# Altium PCB 一体机V1.PcbDoc (part 4 of 5)
Units mil, origin at the board's own origin, x right, y up, seen from the top; angles counter-clockwise.
Board outline 4013.53 x 6321.59 mil, 6 copper layers (Top Layer, GND, VCC, Mid-Layer 1, GND (Plane2), Bottom Layer); 349 components, 402 nets, 1592 pads, 708 vias.
Unrouted connection lines stored in the file: 4.
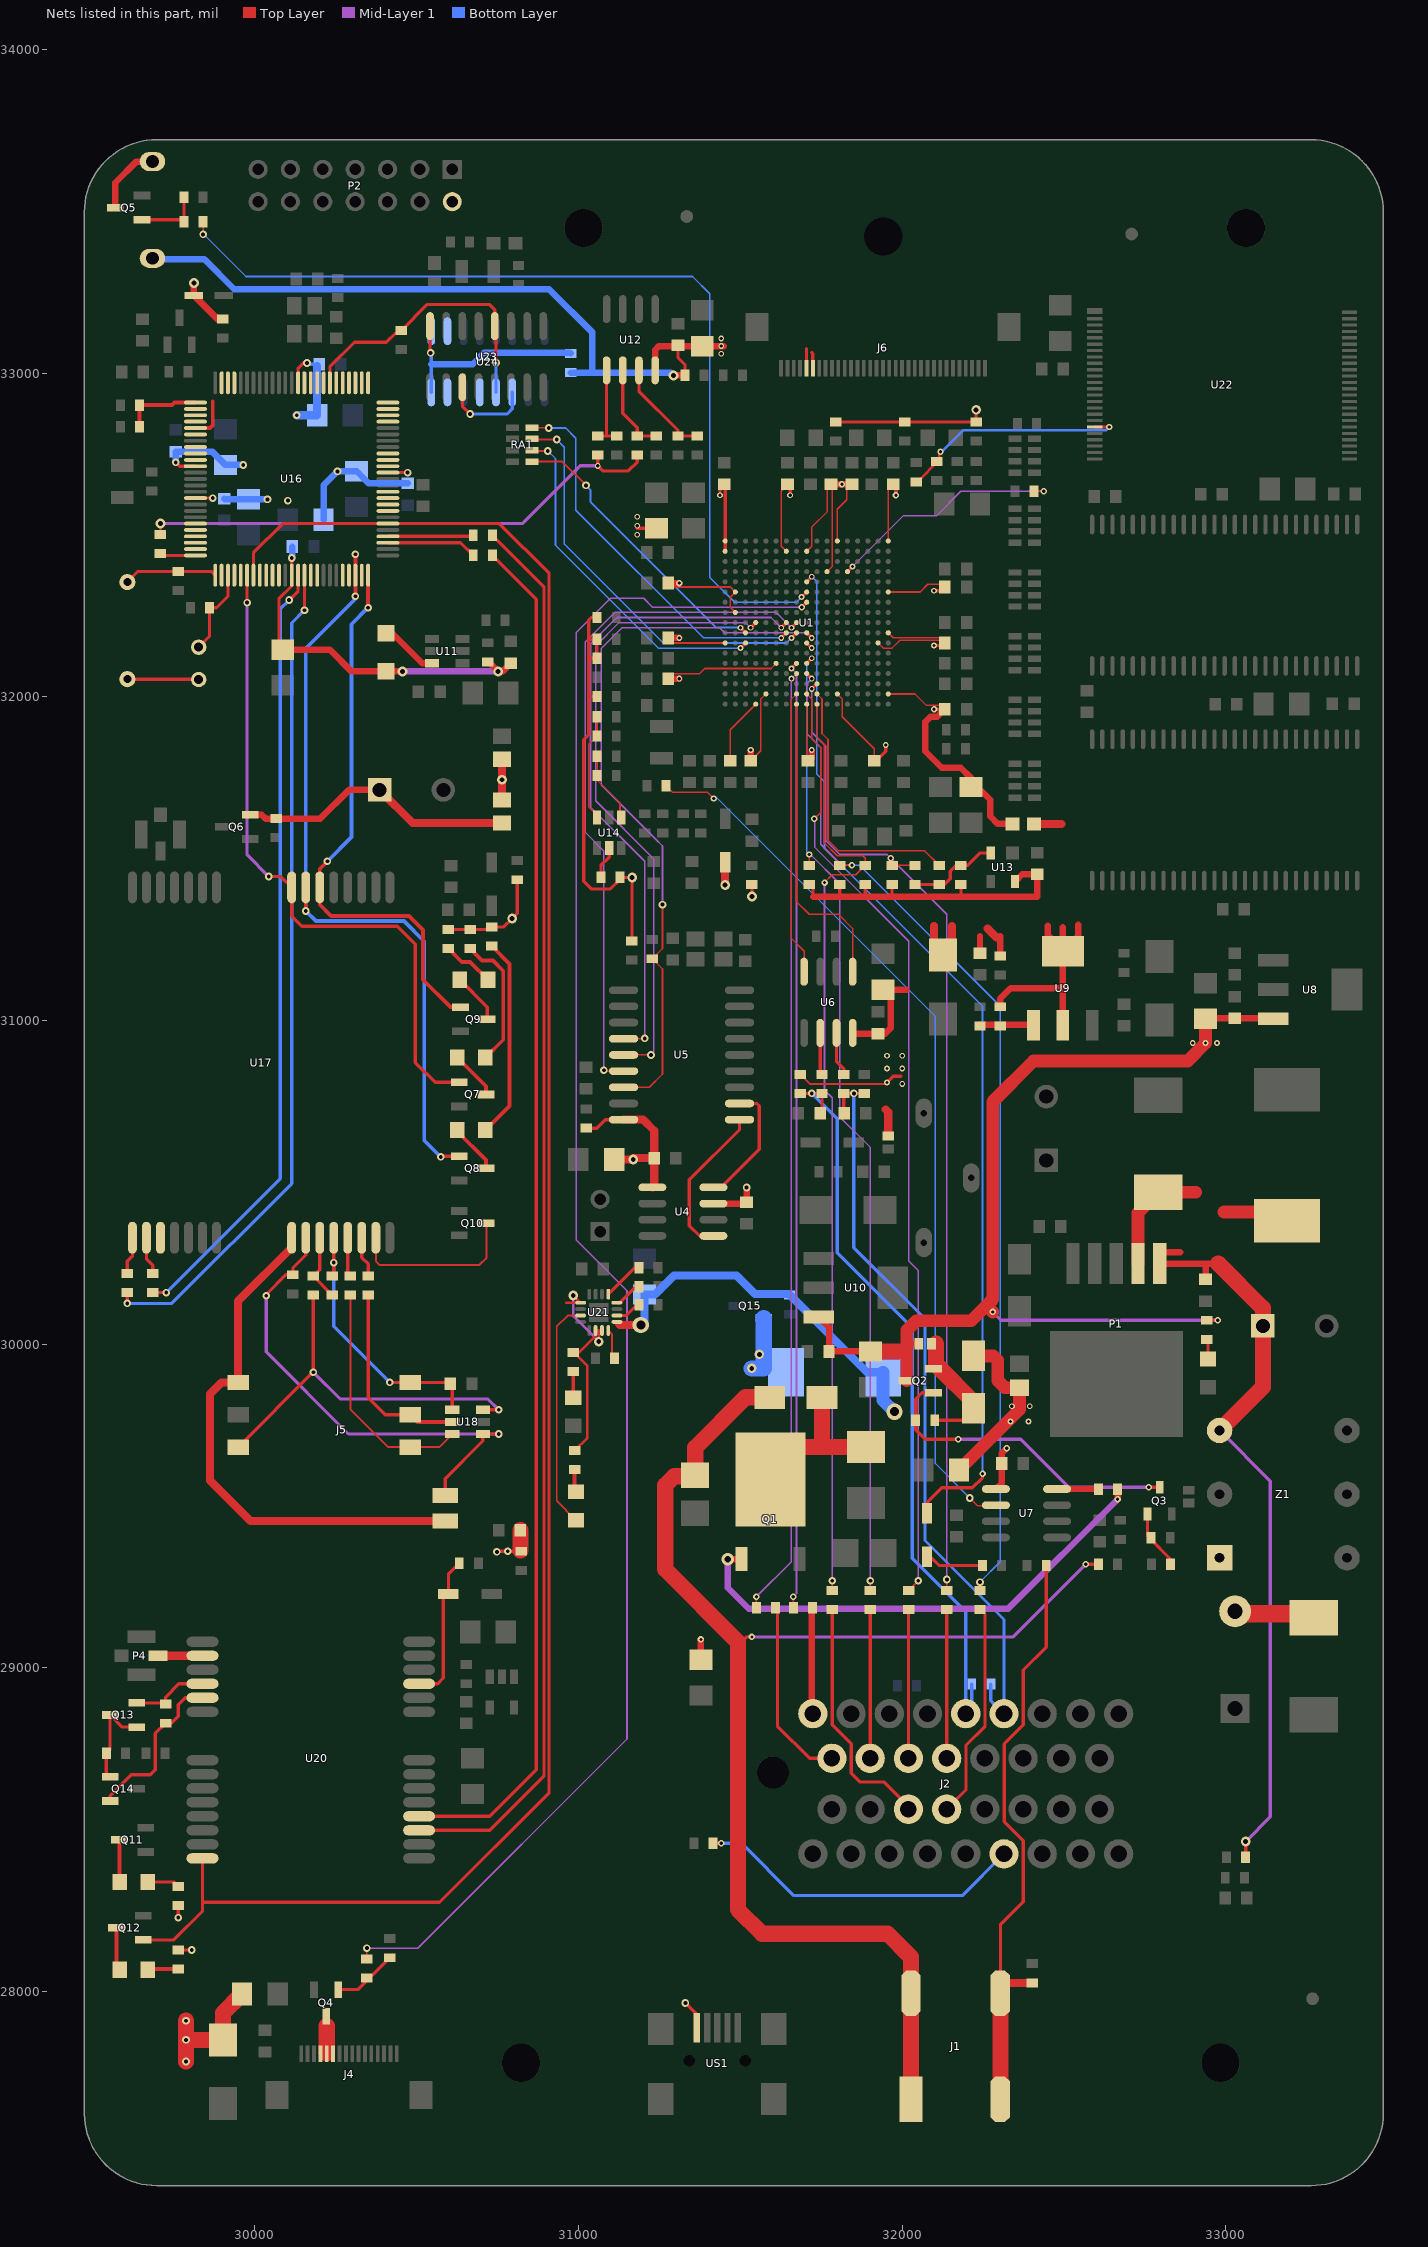
[diagram p8: the nets of this part, all layers, seen from the top]

## Via types
v1: diameter 18, hole 10, Top Layer to Bottom Layer, tented top, 254 vias
v2: diameter 20, hole 10, Top Layer to Bottom Layer, tented top, 136 vias
v3: diameter 23.62, hole 11.81, Top Layer to Bottom Layer, 111 vias
v4: diameter 50, hole 28, Top Layer to Bottom Layer, 77 vias
v5: diameter 19.68, hole 10, Top Layer to Bottom Layer, tented top, 63 vias
v6: diameter 23.62, hole 11.81, Top Layer to Bottom Layer, tented top, 31 vias
v7: diameter 30, hole 15, Top Layer to Bottom Layer, tented top, 18 vias
v8: diameter 30, hole 15, Top Layer to Bottom Layer, 17 vias
v9: diameter 39.37, hole 19.68, Top Layer to Bottom Layer, tented top, 1 vias

## Nets (pads, with @x,y where several pads share a name; then routed paths per layer and width w, separated by ;. In a path a pad name is that pad's centre, name@x,y a point inside that pad or via, vN(x,y) a via of type N, cw(c..) or ccw(c..) an arc to the next point about the centre after c; other vN are vias at no path point) (continued)
NetCT2_1: CT2.1 D2.2 J1.1 R21.1 | length 4938.2
  Top Layer w5: CT2.1@31339.29,29631.1 CT2.1@31378.66,29591.73 ; 31339.29,29690.16 31500.71,29851.57 ; CT2.1@31360.95,29595.67 CT2.1@31360.95,29609.45 ; 31360.95,29680.31 31360.95,29684.25 31512.52,29835.83 31516.46,29835.83 ; CT2.1@31362.91,29607.48 CT2.1@31382.6,29627.16 ; 31382.6,29674.41 31520.4,29812.2 ; D2.2@31567.64,29812.2 D2.2@31591.26,29835.83 D2.2@31575.51,29851.57
  Top Layer w10: 31492.84,29079.92 31504.65,29079.92 31520.39,29095.67 v2(31536.14,29095.67) ; v2(32567.64,29320.08) R21.1@32607.01,29320.08
  Top Layer w50: CT2.1@31360.95,29609.45 31360.95,29680.31 31516.46,29835.83 D2.2@31591.26,29835.83 ; CT2.1@31378.66,29591.73 31295.99,29591.73 31268.43,29564.17 31268.43,29304.33 31492.84,29079.92 31492.84,28253.15 31567.64,28178.35 31955.51,28178.35 32027.56,28106.3 J1.1@32027.56,27994.53 J1.1@32027.56,27666.89
  Mid-Layer 1 w10: v2(31536.14,29095.67) 32343.23,29095.67 v2(32567.64,29320.08)
NetCV3_1: CV3.1 LR3.2 Q6.2 R76.1 | length 861.5
  Top Layer w20: Q6.2@29986.22,31635.83 30021.65,31635.83 30033.46,31624.02 R76.1@30066.93,31624.02 30202.76,31624.02 30291.34,31712.6 CV3.1@30385.83,31712.6
  Top Layer w25: CV3.1@30385.83,31712.6 30488.19,31610.24 LR3.2@30763.78,31610.24
NetD2_1: D2.1 L1.2 Q1.4 | length 348.4
  Top Layer w50: Q1.4@31693.62,29682.28 L1.2@31888.51,29682.28 ; 31752.68,29682.28 D2.1@31752.68,29835.83
NetD3_2: D3.2 R23.2 | length 182.7
  Top Layer w10: D3.2@32077.48,29343.7 32087.32,29343.7 32114.88,29316.14 R23.2@32248.74,29316.14
NetD4_2: D4.2 L3.1 P1.2 | length 555.6
  Top Layer w39.37: P1.2@32729.06,30249.21 32729.06,30406.3 D4.2@32792.05,30469.29 32906.62,30469.29 ; 32994.8,30408.66 L3.1@33189.69,30408.66
NetD5_2: D5.2 FU1.2 Z1.1 | length 496.5
  Top Layer w39.37: FU1.2@33028.9,29174.53 33252.95,29174.53 D5.2@33267.95,29159.53 ; FU1.2@33043.9,29159.53 D5.2@33267.95,29159.53 ; D5.2@33272.36,29155.12 D5.2@33267.95,29159.53 ; D5.2@33288.9,29159.53 D5.2@33267.95,29159.53
NetD7_2: D7.2 Q2.2 R51.1 RD7.1 | length 354.3
  Top Layer w10: R51.1@32101.1,29764.96 D7.2@32200.79,29764.96
  Top Layer w50: RD7.1@32105.04,30001.18 32105.04,29937.13 32230.5,29811.68 D7.2@32221.18,29802.36
NetD10_1: D10.1 R79.1 | length 421.4
  Top Layer w12: R79.1@30665.35,31222.44 30702.76,31185.04 30736.22,31185.04 30767.72,31153.54 30767.72,30940.75 D10.1@30712.8,30885.83
NetD10_2: D10.2 Q7.3 | length 150.9
  Top Layer w12: D10.2@30625.79,30885.83 30714.57,30797.05 Q7.3@30714.57,30771.65
NetD11_1: D11.1 R80.1 | length 622.6
  Top Layer w12: D11.1@30712.8,30661.42 30787.4,30736.02 30787.4,31175.2 R80.1@30732.28,31230.31
NetD11_2: D11.2 Q8.3 | length 154.9
  Top Layer w12: D11.2@30625.79,30661.42 30625.79,30657.68 30714.57,30568.9 Q8.3@30714.57,30543.31
NetD12_1: D12.1 R81.1 | length 162.2
  Top Layer w12: R81.1@30598.43,31222.44 30639.76,31181.1 30665.55,31181.1 D12.1@30720.67,31125.98
NetD12_2: D12.2 Q9.3 | length 157.2
  Top Layer w12: D12.2@30633.66,31125.98 30718.5,31041.14 Q9.3@30718.5,31003.94
NetD14_1: D14.1 R89.1 | length 100
  Top Layer w10: D14.1@29669.49,28338.58 29750,28338.58 R89.1@29763.78,28324.8
NetD14_2: D14.2 Q11.3 | length 128.2
  Top Layer w12: D14.2@29582.48,28338.58 Q11.3@29582.48,28466.73
NetD15_1: D15.1 R90.1 | length 92.3
  Top Layer w12: D15.1@29671.46,28068.9 R90.1@29763.78,28068.9
NetD15_2: D15.2 Q12.3 | length 133.9
  Top Layer w12: Q12.3@29572.84,28196.85 29572.84,28076.57 D15.2@29582.48,28066.93
NetD16_2: D16.2 R93.1 U20.11 | length 456.9
  Top Layer w10: U20.11@30507.87,28950.75 30564.92,28950.75 30582.68,28968.5 30582.68,29212.6 D16.2@30598.43,29228.35 30598.43,29289.37 R93.1@30631.89,29322.83
NetD17_1: D17.1 R101.1 | length 64.8
  Top Layer w12: D17.1@30988.19,29547.44 R101.1@30988.19,29612.2
NetD18_1: D18.1 R102.1 | length 80.5
  Top Layer w12: D18.1@30984.25,29834.84 R102.1@30984.25,29915.35
NetHL1_1: HL1.1 R52.1 | length 56.9
  Top Layer w10: HL1.1@32945.59,29954.13 R52.1@32945.59,30011.02
NetJ1_2: J1.2 R22.1 R24.1 | length 1822.8
  Top Layer w10: J1.2@32303.86,28027.2 32303.86,28205.91 32374.73,28276.77 32374.73,28465.75 32315.67,28524.8 32315.67,28764.96 32374.73,28824.01 32374.73,28993.31 32445.59,29064.17 R22.1@32445.59,29316.14
  Top Layer w25: J1.2@32303.86,28027.2 32304.29,28026.77 R24.1@32402.28,28026.77
  Top Layer w50: J1.2@32303.86,27699.57 J1.2@32303.86,28027.2
NetJ2_4: J2.4 R42.1 | length 1019.1
  Top Layer w10: R42.1@31416.06,28457.87 v2(31441.65,28457.87)
  Bottom Layer w10: v2(31441.65,28457.87) 31504.65,28457.87 31666.06,28296.46 32186.22,28296.46 J2.4@32314.96,28425.2
NetJ2_14: J2.14 R36.1 | length 650.8
  Top Layer w10: J2.14@32137.8,28562.99 32197.56,28622.76 32197.56,28761.02 32256.62,28820.08 32256.62,29164.57
NetJ2_15: J2.15 R35.1 | length 746.9
  Top Layer w10: R35.1@31784.17,29168.5 31784.17,28824.01 31843.23,28764.96 31843.23,28674.41 31870.79,28646.85 31945.59,28646.85 32019.69,28572.76 J2.15@32019.69,28562.99
NetJ2_22: J2.22 R41.1 | length 456.6
  Top Layer w10: J2.22@32137.8,28720.47 R41.1@32137.8,29177.09
NetJ2_23: J2.23 R39.1 | length 459.1
  Top Layer w10: J2.23@32019.69,28720.47 R39.1@32019.69,29179.6
NetJ2_24: J2.24 R38.1 | length 484.3
  Top Layer w10: J2.24@31883.78,28720.47 J2.24@31901.58,28720.47 R38.1@31901.58,29186.93
NetJ2_25: J2.25 R37.1 | length 574
  Top Layer w10: R37.1@31614.88,29184.25 31614.88,28820.08 31714.49,28720.47 J2.25@31783.47,28720.47
NetJ2_34: J2.34 R34.1 | length 327.3
  Top Layer w10: J2.34@31721.18,28861.49 J2.34@31724.41,28858.27
  Top Layer w20: J2.34@31721.18,28861.49 R34.1@31721.18,29184.25
NetJ4_4: J4.4 J4.5 J4.6 Q4.3 | length 125
  Top Layer w10: J4.4@30202.76,27808.07 J4.5@30222.44,27808.07 J4.6@30242.13,27808.07
  Top Layer w50: J4.5@30222.44,27808.07 30222.44,27893.7
NetJ5_2: J5.2 R87.2 U18.5 | length 612.6
  Top Layer w10: R87.2@30338.58,30151.57 30350.39,30139.76 30350.39,29834.65 30403.15,29781.89 J5.2@30480.32,29781.89
  Top Layer w12: J5.2@30480.32,29781.89 30502.36,29759.84 U18.5@30610.24,29759.84
NetJ5_3: J5.3@30480.32,29681.89 R86.2 U18.6 | length 736
  Top Layer w6: R86.2@30287.4,30151.57 30295.28,30143.7 30295.28,29799.21 30412.6,29681.89 J5.3@30480.32,29681.89 30569.68,29681.89 U18.6@30610.24,29722.44
NetJ5_7: J5.7 R85.2 U18.3 | length 1236.1
  Top Layer w10: J5.7@29948.82,29681.89 30181.1,29914.17 R85.2@30181.1,30151.57 ; U18.3@30704.72,29797.24 v3(30753.94,29797.24)
  Mid-Layer 1 w10: v3(30181.1,29913.39) 30263.78,29830.71 30720.47,29830.71 v3(30753.94,29797.24)
NetL2_2: L2.2 U11.3 | length 180.1
  Top Layer w20: L2.2@30405.51,32196.85 30425.2,32196.85 30517.72,32104.33 U11.3@30547.24,32104.33
NETLIGHT: Q9.1 U16.50 U17.21 | length 1735.9
  Top Layer w12: v3(30224.41,31492.13) 30200.79,31468.5 U17.21@30200.79,31411.42 30200.79,31358.27 30236.22,31322.83 30476.38,31322.83 30519.68,31279.53 30519.68,31125.98 30604.33,31041.34 Q9.1@30635.83,31041.34 ; v3(30350.39,32275.59) U16.50@30350.39,32375.98
  Bottom Layer w12: v3(30224.41,31492.13) 30299.21,31566.93 30299.21,32224.41 v3(30350.39,32275.59)
NetNR1_1: NR1.1 R33.2 U12.7 | length 311.8
  Top Layer w10: U12.7@31187.13,33009.05 31187.13,32944.68 31307.8,32824.01 NR1.1@31307.8,32806.3 R33.2@31366.85,32806.3
NetNR2_1: NR2.1 R111.2 U22.19 | length 722.2
  Top Layer w8: NR2.1@32044.02,32664.57 32047.95,32664.57 32114.88,32731.5 v2@32114.88,32749.21 ; U22.19@32595.2,32833.86 v2(32640.47,32833.86)
  Bottom Layer w8: v2@32114.88,32749.21 32189.69,32824.01 32630.63,32824.01 v2(32640.47,32833.86)
  other v2: 32118.82,32757.09
NetP4_1: P4.1 U20.16 | length 137.8
  Top Layer w25: P4.1@29700.79,29037.36 U20.16@29838.58,29037.36
NetQ1_1: Q1.1 R18.1 | length 1545.2
  Top Layer w20: v9(31461.34,29335.83) Q1.1@31503.47,29335.83 ; v2(32666.07,29520.87) R18.1@32666.07,29552.36
  Mid-Layer 1 w20: v9(31461.34,29335.83) 31469.21,29335.83 31461.34,29327.95 31461.34,29247.32 31526.38,29182.28 32327.48,29182.28 v2(32666.07,29520.87)
NetQ2_1: Q2.1 Q3.3 R51.2 | length 985.1
  Top Layer w10: Q2.1@32097.17,29849.61 32061.73,29849.61 32042.05,29829.92 R51.2@32042.05,29764.96 32042.05,29735.43 32071.58,29705.9 v2(32173.94,29705.9) ; v2(32762.52,29558.27) Q3.3@32795.98,29558.27
  Mid-Layer 1 w10: v2(32173.94,29705.9) 32366.85,29705.9 32514.49,29558.27 v2(32762.52,29558.27)
NetQ3_2: Q3.2 R53.2 R54.1 | length 158
  Top Layer w10: R54.1@32758.58,29406.69 Q3.2@32758.58,29475.59 ; R54.1@32766.46,29398.82 R53.2@32829.45,29335.82
NetQ4_1: Q4.1 R65.1 R66.1 | length 200.2
  Top Layer w10: Q4.1@30257.87,28005.91 30318.9,28005.91 R66.1@30417.32,28104.33
NetQ5_1: Q5.1 R68.2 R69.1 | length 198.8
  Top Layer w10: Q5.1@29651.57,33474.41 29781.5,33474.41 R69.1@29781.5,33543.31
NetQ5_3: Q5.3 U15.2 | length 218.9
  Top Layer w20: Q5.3@29568.9,33511.81 29568.9,33588.58 29634.45,33654.14 U15.2@29683.9,33654.14
NetQ13_1: Q13.1 Q13.3 Q14.1 R95.2 | length 293.7
  Top Layer w10: R95.2@29541.34,28736.22 29541.34,28675.19 Q14.1@29553.15,28663.38 ; R95.2@29549.21,28738.19 29549.21,28744.09 29553.15,28748.03 Q13.3@29553.15,28854.33 29590.55,28816.93 Q13.1@29635.83,28816.93
NetR13_2: R13.2 U6.6 | length 122.6
  Top Layer w10: R13.2@31747.36,30839.17 U6.6@31747.36,30961.81
NetR15_2: R15.2 U6.7 | length 137.2
  Top Layer w10: U6.7@31797.36,30961.81 31797.36,30873.82 31819.61,30851.57 R15.2@31819.61,30833.86
NetR18_2: R18.2 U7.8 | length 127.8
  Top Layer w20: U7.8@32479.06,29552.56 R18.2@32606.81,29552.56
NetR19_2: R19.2 U7.2 | length 2756.3
  Top Layer w5: R19.2@31270.4,31725.59 31290.08,31705.9 31398.35,31705.9 v5(31418.03,31686.22) ; v6(32209.37,29524.8) 32232.99,29501.18 32275.71,29501.18 32283.58,29509.05 U7.2@32290.08,29502.56
  Bottom Layer w5: v5(31418.03,31686.22) 31429.56,31686.22 32103.07,31012.7 32103.07,29631.1 v6(32209.37,29524.8)
NetR25_2: R25.2 R26.1 U9.1 | length 175
  Top Layer w20: R26.1@32236.93,30987.4 32392.44,30987.4 U9.1@32406.22,31001.18
NetR29_2: R29.2 R31.1 U12.6 | length 280.3
  Top Layer w10: U12.6@31137.13,33009.05 31137.13,32876.57 31181.81,32831.89 R29.2@31181.81,32806.3 R31.1@31240.87,32806.3
NetR30_2: R30.2 R32.1 U12.5 | length 261.6
  Top Layer w10: R30.2@31059.77,32806.3 R32.1@31118.82,32806.3 ; 31087.13,32806.5 U12.5@31087.13,33009.05
NetR57_1: R57.1 R58.2 U14.1 | length 206.5
  Top Layer w5: R58.2@31057.8,31816.14 R57.1@31057.8,31757.09 31057.8,31743.31 31128.66,31672.44 U14.1@31128.66,31638.98
NetR59_1: R59.1 U14.5 | length 101.2
  Top Layer w10: R59.1@31069.61,31442.12 31069.61,31479.53 31095.2,31505.12 U14.5@31095.2,31532.68
NetR60_2: R60.2 R61.1 U14.3 | length 318.8
  Top Layer w5: U14.3@31053.86,31638.98 31032.21,31660.63 31032.21,31853.54 R61.1@31057.8,31879.13
  Top Layer w6: R61.1@31057.8,31879.13 R60.2@31057.8,31938.19
NetR101_2: R101.2 R102.2 U21.5 U21.10 U21.11 | length 739.3
  Top Layer w8: 30962.6,30127.95 U21.5@31006.89,30127.95 v8(30984.25,30150.59) ; R102.2@30984.25,29974.41 R102.2@30986.22,29974.41 ; R101.2@30988.19,29671.26 31027.56,29710.63 31027.56,29933.07 R102.2@30986.22,29974.41 ; v8(31062.99,30007.87) 31062.99,30042.32 U21.10@31053.15,30042.32 31053.15,30025.59 31001.97,29974.41 R102.2@30986.22,29974.41
  Mid-Layer 1 w8: v8(30984.25,30150.59) 30984.25,30086.61 v8(31062.99,30007.87)
NetR104_1: R104.1 U21.12@31092.52,30042.32 | length 86.6
  Top Layer w6: U21.12@31092.52,30042.32 31104.33,30030.51 R104.1@31104.33,29960.63
NetR105_1: R105.1 U21.14 | length 81.8
  Top Layer w10: U21.14@31119.09,30088.58 31147.64,30088.58 31181.1,30122.05 R105.1@31187.01,30122.05
NetR106_1: R106.1 U21.1 | length 128.3
  Top Layer w10: U21.1@31092.52,30154.53 31174.21,30236.22 R106.1@31187.01,30236.22
NetR107_1: R107.1 U21.16 | length 88.3
  Top Layer w10: U21.16@31119.09,30127.95 31127.95,30127.95 31177.17,30177.17 R107.1@31187.01,30177.17
NetR116_2: R116.2 U23.16 U24.16 | length 653.4
  Top Layer w10: U23.16@30541.54,33145.67 30541.54,33064.76 v3(30543.31,33062.99)
  Bottom Layer w10: v3(30543.31,33062.99) 30545.47,33060.83 30545.47,33027.56 U24.16@30545.47,32940.94
  Bottom Layer w20: 30545.47,33027.56 30673.23,33027.56 30709.47,33063.8 30973.6,33063.8 R116.2@30976.38,33061.02
NetU23_3: U23.3 U24.11 | length 280.3
  Top Layer w10: U23.3@30641.54,32956.69 30641.54,32897.83 v3(30665.35,32874.02)
  Bottom Layer w10: v3(30665.35,32874.02) 30779.53,32874.02 30795.47,32889.96 U24.11@30795.47,32940.94
NRESET: R56.2 U1.H16 | length 841.8
  Top Layer w5: U1.H16@31736.93,32009.05 31752.68,31993.31 31752.68,31887.01 31771.37,31868.32 31771.37,31557.29 31803.86,31524.8 32069.61,31524.8 R56.2@32114.88,31479.53
NRTS1/TXD2: U1.J11 | length 22.3
  Top Layer w10: U1.J11@31705.43,32166.53 v1(31721.18,32150.79)
NSS0/EINT10/GPG2: R11.1 U1.J10 U5.16 | length 2268.5
  Top Layer w5: U5.16@31139.76,30793.7 31218.9,30793.7 31259.84,30834.65 31259.84,31159.45 R11.1@31228.35,31190.94 31259.84,31222.44 v3(31259.84,31358.27)
  Top Layer w10: U1.J10@31705.43,32198.03 v1(31721.18,32182.28)
  Mid-Layer 1 w5: v3(31259.84,31358.27) 31259.84,31539.56 31239.41,31559.99 31239.23,31559.99 31070.87,31728.35 31070.87,32149.61 31134.79,32213.53 31436.08,32213.53 31451.82,32197.78 31705.68,32197.78 v1(31721.18,32182.28)
NSS1/EINT11/GPG3: RA1.5 U1.R10 | length 900.9
  Top Layer w6: RA1.5@30856.77,32727.03 30950.14,32727.03 v3(31023.62,32653.54)
  Top Layer w10: v1(31500.71,32213.78) U1.R10@31516.46,32198.03
  Bottom Layer w6: v3(31023.62,32653.54) 31037.13,32640.04 31037.13,32602.36 31425.71,32213.78 v1(31500.71,32213.78)
NTRST: R41.2 R46.2 R47.1 U1.H15 | length 3136.8
  Top Layer w5: R46.2@31969.21,31479.53 R47.1@32040.08,31479.53 ; R41.2@32138.51,29239.37 v6(32138.51,29272.83)
  Top Layer w10: v1(31721.18,32024.8) U1.H15@31736.93,32040.55
  Mid-Layer 1 w5: v1(31721.18,32024.8) 31721.18,31890.94 31764.49,31847.64 31764.49,31556.3 31807.8,31512.99 31953.47,31512.99 v5(31965.28,31501.18) 32138.51,31327.95 v6(32138.51,29272.83)
NWAIT: R1.2 U1.E4 | length 738.6
  Top Layer w5: R1.2@32408.19,32635.04 v2(32437.72,32635.04)
  Top Layer w10: U1.E4@31831.42,32387.01 v1(31847.17,32402.76)
  Mid-Layer 1 w5: v1(31847.17,32402.76) 32004.65,32560.24 32107.01,32560.24 32181.81,32635.04 v2(32437.72,32635.04)
P1_1: U24.13
P1_2: U24.15
P1_3: U16.20 U24.1
P1_4: U16.21 U24.2
P1_5: U16.22
P1_6: U16.23
P1_7: U16.24
P2_0: R71.2 U16.25 | length 102.4
  Top Layer w10: R71.2@29714.57,32437.01 U16.25@29816.93,32437.01
P2_1: R72.2 S1.1 U16.26 | length 290.2
  Top Layer w10: S1.1@29606.3,32354.72 29639.37,32387.8 R72.2@29763.78,32387.8 29866.14,32387.8 U16.26@29877.95,32375.98
P2_2: U16.27
P2_3: R73.2 S2.1 U16.28 | length 272.6
  Top Layer w10: S2.1@29826.77,32153.54 29860.24,32187.01 R73.2@29860.24,32275.59 29881.89,32275.59 29917.32,32311.02 U16.28@29917.32,32375.98
P2_4: U16.29
P2_5: U16.30
P3_0: U16.33
P3_1: U16.34
P3_2: U16.35
P3_3: U16.36
P3_4: R78.2 U16.39 | length 2426.7
  Top Layer w10: R78.2@29685.04,30159.45 v3(29726.38,30159.45) ; v3(30106.3,32299.21) 30133.86,32326.77 U16.39@30133.86,32375.98
  Bottom Layer w10: v3(29726.38,30159.45) 30078.74,30511.81 30078.74,32271.65 v3(30106.3,32299.21)
P3_5: R77.2 U16.40 | length 2590.9
  Top Layer w10: v3(29606.3,30125.98) R77.2@29606.3,30159.45 ; v3(30153.54,32267.72) U16.40@30153.54,32375.98
  Bottom Layer w10: v3(29606.3,30125.98) 29744.09,30125.98 30114.17,30496.06 30114.17,32228.35 v3(30153.54,32267.72)
P3_6: U16.41
P3_7: U16.42
P4_3: U16.46
P4_4: U16.47
P4_6: U16.49
P5_1: U16.10
P5_6: R92.2 U16.53 | length 280.1
  Top Layer w10: U16.53@30411.42,32476.38 30635.83,32476.38 R92.2@30675.2,32437.01
P5_7: R91.2 U16.54 | length 259.8
  Top Layer w10: U16.54@30411.42,32496.06 R91.2@30671.26,32496.06
P6_0: U16.97
P6_1: U16.98
P6_2: U16.99
P6_4: R103.2 R108.1 U16.1 | length 243.4
  Top Layer w12: R108.1@29643.7,32834.65 R103.2@29643.7,32901.57 29744.09,32901.57 29751.97,32909.45 U16.1@29816.93,32909.45
P6_5: U16.2
P6_6: U16.3
P6_7: U16.4
P7_4: U16.5 | length 131.2
  Top Layer w12: U16.5@29816.93,32830.71 29862.2,32830.71 29870.08,32838.58 29870.08,32913.39
P7_5: U16.6
P7_7: U16.8
P8_2: U16.59
P8_3: U16.60
P8_4: U16.61
P8_5: U16.65
P8_6: U16.66
P8_7: U16.67
P9_4: U16.72
P9_5: U16.73
P9_6: U16.74
P9_7: U16.75
P10_0: U16.76
P10_1: U16.77
P10_2: U16.78
P10_3: U16.79
P10_4: U16.80
P10_5: U16.81
P10_6: R117.2 U16.82 U23.12 U24.12 | length 877.1
  Top Layer w10: U16.82@30232.28,32970.47 30232.28,33019.68 30308.21,33095.61 30406.64,33095.61 R117.2@30436.44,33125.42 ; R117.2@30452.76,33131.89 30533.46,33212.6 30724.41,33212.6 30741.54,33195.47 U23.12@30741.54,33145.67 ; v3@30745.47,33037.99 U23.12@30745.47,33141.73
  Bottom Layer w10: U24.12@30745.47,32940.94 v3(30745.47,33032.87) v3@30745.47,33037.99
P10_7: U16.83
P11_0: U16.84
P11_1: U16.85
P11_2: U16.86
P\G\O\O\D\: D17.2 U21.7 | length 730.3
  Top Layer w6: D17.2@30972.64,29456.5 D17.2@30992.13,29456.5 30933.07,29515.55 30933.07,30055.12 30966.54,30088.58 U21.7@31006.89,30088.58
PLUSE: Q12.1 U16.32 U16.56 U20.28 | length 6445.3
  Top Layer w10: Q12.1@29655.51,28159.45 29750,28159.45 29838.58,28248.03 U20.28@29838.58,28411.38 ; 29838.58,28275.59 30570.87,28275.59 30909.45,28614.17 30909.45,32381.89 30755.91,32535.43 U16.56@30411.42,32535.43 30086.61,32535.43 29996.06,32444.88 U16.32@29996.06,32375.98
PWRKEY: Q10.3 U17.14 | length 538.8
  Top Layer w6: U17.14@30374.02,30328.74 30374.02,30255.91 30385.83,30244.09 30692.91,30244.09 30716.54,30267.72 30716.54,30368.11 Q10.3@30710.63,30374.02
REF+: U16.9
RESET: R47.2 R55.2 R56.1 U13.2 | length 287.7
  Top Layer w10: R47.2@32040.08,31420.47 R56.1@32114.88,31420.47 32131.38,31420.47 32149.1,31438.19 32149.1,31460.59 32168.03,31479.53 R55.2@32181.81,31479.53 32203.47,31479.53 32241.85,31517.91 U13.2@32274.33,31517.91
RI: Q7.1 U16.31 U17.23 | length 2077.1
  Top Layer w10: v3(29976.38,32291.34) U16.31@29976.38,32375.98 ; v3(30043.31,31444.88) 30080.71,31444.88 U17.23@30114.17,31411.42 30114.17,31322.83 30145.67,31291.34 30440.94,31291.34 30496.06,31236.22 30496.06,30870.08 30557.09,30809.05 Q7.1@30631.89,30809.05
  Mid-Layer 1 w10: v3(29976.38,32291.34) 29976.38,31511.81 v3(30043.31,31444.88)
RS_N: C49.1 J2.29 R14.2 R15.1 R17.1 | length 2339.3
  Top Layer w10: C49.1@31819.61,30715.75 R15.1@31819.61,30774.8 v6(31851.1,30774.8) R17.1@31882.6,30774.8
  Bottom Layer w10: v6(31851.1,30774.8) 31851.1,30298.5 32070.87,30078.74 32070.87,29393.34 32314.96,29149.24 J2.29@32314.96,28858.27 32274.33,28898.9 R14.2@32274.33,28950
RS_P: C48.1 J2.30 R12.1 R13.1 R14.1 | length 2305
  Top Layer w10: R12.1@31685.75,30774.8 v6(31721.18,30774.8) R13.1@31752.68,30774.8 C48.1@31752.68,30723.62
  Bottom Layer w10: v6(31721.18,30774.8) 31799.92,30696.06 31799.92,30282.75 32031.5,30051.18 32031.5,29338.58 32196.85,29173.23 32196.85,28903.46 J2.30@32196.85,28858.27 ; J2.30@32215.28,28876.69 R14.1@32215.28,28950
RTS: U17.3
RXCAN: U4.4 U5.2 | length 388.6
  Top Layer w10: U4.4@31417.32,30484.45 31441.14,30484.45 31559.06,30602.36 31559.06,30736.22 31551.57,30743.7 U5.2@31498.03,30743.7
RXD0: R37.2 U1.K14 | length 2937.2
  Top Layer w5: R37.2@31549.92,29186.22 v2(31549.92,29219.68) ; v1(31658.19,32056.3) U1.K14@31673.94,32072.05
  Mid-Layer 1 w5: v2(31549.92,29219.68) 31658.19,29327.95 v1(31658.19,32056.3)
RXD1: U1.K17 U6.1 | length 951.6
  Top Layer w5: U1.K17@31673.94,31977.56 31673.94,31367.32 31713.31,31327.95 31803.86,31327.95 31847.17,31284.64 U6.1@31847.17,31150.79
RXDG: R92.1 U20.4 | length 4230
  Top Layer w10: U20.4@30507.87,28541.3 30726.34,28541.3 30870.08,28685.04 30870.08,32301.18 R92.1@30734.25,32437.01
RXDM: R78.1 U17.2 | length 118.4
  Top Layer w10: U17.2@29665.35,30328.74 29665.35,30263.78 29685.04,30244.09 R78.1@29685.04,30218.5
SIM_CLK: R86.1 U17.12 | length 110.2
  Top Layer w10: R86.1@30287.4,30218.5 U17.12@30287.4,30328.74
SIM_DATA: R83.2 R85.1 U17.10 | length 202.6
  Top Layer w10: U17.10@30200.79,30328.74 30200.79,30230.32 R85.1@30181.1,30210.63 30232.28,30159.45 R83.2@30232.28,30155.51
SIM_GND: J5.5 J5.8 U17.8 | length 1662.6
  Top Layer w25: U17.8@30114.17,30328.74 30114.17,30299.21 29948.82,30133.86 J5.5@29948.82,29881.89 29897.64,29881.89 29862.2,29846.46 29862.2,29578.74 29987.4,29453.54 J5.8@30588.58,29453.54
SIM_PRE: J5.4 R84.2 U17.9 U18.1 | length 1526.8
  Top Layer w10: v3(30035.43,30149.61) 30035.43,30153.54 30096.46,30214.57 R84.2@30118.11,30214.57 30118.11,30236.22 30157.48,30275.59 U17.9@30157.48,30328.74 ; J5.4@30588.58,29532.28 30588.58,29584.65 30704.72,29700.79 U18.1@30704.72,29722.44 v3(30753.94,29722.44)
  Mid-Layer 1 w10: v3(30035.43,30149.61) 30035.43,29976.38 30289.37,29722.44 v3(30753.94,29722.44)
SIM_RST: R87.1 U17.13 | length 126.3
  Top Layer w10: U17.13@30330.71,30328.74 30330.71,30267.72 30350.39,30248.03 R87.1@30350.39,30210.63
SIM_VDD: C81.1 J5.1 R83.1 U17.11 U18.4 | length 827.8
  Top Layer w10: R83.1@30244.09,30214.57 v3(30244.09,30251.97) U17.11@30244.09,30328.74 ; v3(30417.32,29881.89) J5.1@30480.32,29881.89 30600.39,29881.89 C81.1@30604.33,29877.95 30610.24,29872.05 U18.4@30610.24,29797.24
  Bottom Layer w10: v3(30244.09,30251.97) 30244.09,30055.12 v3(30417.32,29881.89)
SPICLK1/GPG7: RA1.8 U1.L10 | length 1191.7
  Top Layer w5: RA1.8@30856.77,32832.03 30906.83,32832.03 v3(30908.15,32830.71)
  Top Layer w10: v1(31626.69,32182.28) U1.L10@31642.44,32198.03
  Bottom Layer w5: v3(30908.15,32830.71) 30960.63,32830.71 30992.13,32799.21 30992.13,32576.69 31386.54,32182.28 v1(31626.69,32182.28)
SPICLK/GPE13: U1.L9 U5.13 | length 2024
  Top Layer w5: U5.13@31139.76,30943.7 31195.67,30943.7 v3@31196.79,30944.82
  Top Layer w10: v1(31626.69,32213.78) U1.L9@31642.44,32229.53
  Mid-Layer 1 w5: v3@31196.79,30944.82 v3(31204.79,30944.82) ; v3@31196.85,30940.94 31196.85,30944.82 v3(31204.79,30944.82) ; v1(31626.69,32213.78) 31595.2,32245.27 31118.82,32245.27 31037.44,32163.9 31037.44,31659.41 31204.79,31492.06 v3(31204.79,30944.82)
SPIMISO/GPE11: U1.K9 U5.15 | length 2113.9
  Top Layer w5: v3@31089.37,30843.7 U5.15@31139.76,30843.7
  Top Layer w10: v1(31658.19,32213.78) U1.K9@31673.94,32229.53
  Mid-Layer 1 w5: v3(31078.74,30846.46) 31078.74,31523.62 31021.69,31580.67 31021.69,32170.42 31112.3,32261.02 31610.95,32261.02 v1(31658.19,32213.78)
SPIMOSI/GPE12: U1.P9 U5.14 | length 1969
  Top Layer w5: U5.14@31139.76,30893.7 v3(31224.41,30893.7)
  Top Layer w10: v1(31532.2,32213.78) U1.P9@31547.95,32229.53
  Mid-Layer 1 w5: v3@31220.47,30889.76 31232.28,30901.57 31232.28,31500 31053.19,31679.09 31053.19,32157.37 31125.34,32229.53 31516.46,32229.53 v1(31532.2,32213.78)
SPISI1/GPG6: RA1.6 U1.R11 | length 1073.1
  Top Layer w5: RA1.6@30858.96,32759.84 v3(30905.51,32759.84)
  Top Layer w10: v1(31500.71,32150.79) U1.R11@31516.46,32166.53
  Bottom Layer w5: v3(30905.51,32759.84) 30929.13,32736.22 30929.13,32468.5 31246.85,32150.79 v1(31500.71,32150.79)
SPISO1/GPG5: RA1.7 U1.K10 | length 1264.2
  Top Layer w5: RA1.7@30858.52,32795.28 v3(30933.07,32795.28)
  Top Layer w10: v1(31658.19,32182.28) U1.K10@31673.94,32198.03
  Bottom Layer w5: v3(30933.07,32795.28) 30956.69,32771.65 30956.69,32673.23 30956.69,32472.44 31262.6,32166.53 31642.44,32166.53 v1(31658.19,32182.28)
STATUS: Q8.1 U16.48 U17.22 | length 2385.7
  Top Layer w12: v3(30157.48,31338.58) U17.22@30157.48,31411.42 ; v3(30311.02,32311.02) U16.48@30311.02,32375.98 v3(30311.02,32440.94) ; v3@30576.77,30580.71 Q8.1@30631.89,30580.71
  Bottom Layer w12: v3(30311.02,32311.02) 30311.02,32303.15 30157.48,32149.61 v3(30157.48,31338.58) 30188.98,31307.09 30460.63,31307.09 30523.62,31244.09 30523.62,30629.92 v3(30574.8,30578.74)
SYSOFF: U16.58
TCK: R38.2 R43.2 U1.J13 | length 3029.2
  Top Layer w5: R43.2@31713.31,31479.53 v2(31713.31,31512.99) ; R38.2@31902.28,29239.37 v6(31902.28,29268.9)
  Top Layer w10: U1.J13@31705.43,32103.54 v1(31721.18,32119.29)
  Mid-Layer 1 w5: v2(31713.31,31512.99) 31717.25,31512.99 31807.8,31422.44 31807.8,31268.61 31807.04,31267.86 31807.04,30702.72 31902.28,30607.48 v6(31902.28,29268.9) v6@31904.1,29270.71
  Bottom Layer w5: v2(31713.31,31512.99) 31705.43,31520.87 31705.43,32103.54 v1(31721.18,32119.29)
TDI: R35.2 R45.2 U1.H17 | length 2950.9
  Top Layer w5: U1.H17@31736.93,31977.56 31736.93,31875.2 31760.37,31851.76 31760.37,31548.61 31799.92,31509.05 31878.66,31509.05 31886.54,31501.18 R45.2@31886.54,31479.53 31857.01,31450 31784.17,31450 v2(31760.55,31426.38) ; R35.2@31784.17,29239.37 v6(31784.17,29268.9)
  Mid-Layer 1 w5: v2(31760.55,31426.38) 31760.55,30784.64 31784.17,30761.02 v6(31784.17,29268.9)
TDO: R39.2 U1.J16 | length 2941.4
  Top Layer w5: U1.J16@31705.43,32009.05 31721.18,31993.31 31721.18,31871.26 31749.37,31843.07 31749.37,31643.54 v2(31729.06,31623.23) ; R39.2@32020.39,29239.37 v6(32049.92,29268.9)
  Mid-Layer 1 w5: v2(31729.06,31623.23) 31729.81,31622.48 31729.81,31535.86 32020.39,31245.27 32020.39,30257.09 32049.92,30227.56 v6(32049.92,29268.9)
TMS: R36.2 R44.2 U1.J14 | length 3196.2
  Top Layer w5: R44.2@31800.97,31479.53 R44.2@31807.8,31479.53 v2(31845.2,31479.53) ; R36.2@32240.87,29239.37 v6(32240.87,29264.96)
  Top Layer w10: U1.J14@31705.43,32072.05 v1(31721.18,32056.3)
  Mid-Layer 1 w5: v1(31721.18,32056.3) 31705.43,32040.55 31705.43,31887.01 31748.74,31843.7 31748.74,31544.49 31813.7,31479.53 v2(31845.2,31479.53)
  Bottom Layer w5: v2(31845.2,31479.53) 31868.82,31479.53 32303.86,31044.49 32303.86,29327.95 v6(32240.87,29264.96)
TOUT0/GPB0: R68.1 U1.J6 | length 2900.8
  Top Layer w5: v3(29840.55,33429.13) R68.1@29840.55,33468.5
  Top Layer w10: v1(31689.69,32308.27) U1.J6@31705.43,32324.02
  Bottom Layer w5: v3@29841.54,33430.12 29972.85,33298.8 31352.7,33298.8 31406.22,33245.27 31406.22,32369.02 31482.73,32292.52 31540.08,32292.52 31673.94,32292.52 v1(31689.69,32308.27)
TOUT1/GPB1: D3.1 U1.J5 | length 3260.8
  Top Layer w10: U1.J5@31705.43,32355.51 v1(31721.18,32371.26) ; D3.1@32077.48,29477.56 32077.48,29511.02 32122.76,29556.3 32217.25,29556.3 32248.74,29587.79 v2(32248.74,29599.61)
  Bottom Layer w5: v1(31721.18,32371.26) 31736.93,32355.51 31736.93,31761.02 31760.55,31737.4 31760.55,31532.68 32248.74,31044.49 v2(32248.74,29599.61)
TOUT2/GPB2: R65.2 U1.J7 | length 5363
  Top Layer w5: R65.2@30346.46,28100.39 v3(30346.46,28133.86)
  Top Layer w10: v5(31690.28,32276.77) 31690.28,32277.36 U1.J7@31705.43,32292.52
  Mid-Layer 1 w5: v3(30346.46,28133.86) 30503.94,28133.86 31150.32,28780.24 31150.32,30165.35 30992.84,30322.83 30992.84,32198.03 31099.14,32304.33 31201.5,32304.33 31229.06,32276.77 v5(31690.28,32276.77)
TXCAN: U4.1 U5.1 | length 479.9
  Top Layer w10: U4.1@31417.32,30334.45 31374.21,30334.45 31342.52,30366.14 31342.52,30507.87 31498.03,30663.39 U5.1@31498.03,30693.7
TXD0: R34.2 U1.K13 | length 2934.4
  Top Layer w5: R34.2@31664.1,29186.22 v2(31664.1,29219.68)
  Top Layer w10: v1(31658.19,32087.79) U1.K13@31673.94,32103.54
  Mid-Layer 1 w5: v1(31658.19,32087.79) 31673.94,32072.05 31673.94,29229.53 v2(31664.1,29219.68)
TXD1: U1.K16 U6.4 | length 881.1
  Top Layer w5: U1.K16@31673.94,32009.05 31658.19,31993.31 31658.19,31253.15 31697.56,31213.78 U6.4@31697.56,31150.79
TXDG: R91.1 U20.3@30507.87,28497.99 | length 4355.6
  Top Layer w10: U20.3@30507.87,28497.99 30726.34,28497.99 30893.45,28665.1 30893.45,32340.8 R91.1@30734.25,32500
TXDM: R77.1 U17.1 | length 116.8
  Top Layer w10: R77.1@29606.3,30218.5 29606.3,30255.91 29622.05,30271.65 U17.1@29622.05,30328.74
UPLLCAP: C21.1 U1.P17 | length 211.1
  Top Layer w5: C21.1@31461.34,31802.36 31469.21,31810.23 31469.21,31898.82 U1.P17@31547.95,31977.56
V_ANT: Q14.2 R94.2 U20.19 | length 513.2
  Top Layer w10: Q14.2@29553.15,28588.58 29553.15,28604.33 29618.11,28669.29 29677.17,28669.29 29692.91,28685.04 29692.91,28797.24 R94.2@29724.41,28828.74 29742.13,28828.74 29763.78,28850.39 29763.78,28885.83 29785.39,28907.44 U20.19@29838.58,28907.44
VAA5V: C45.1 C51.1 C54.1 C58.1 CP9.1 CP13.1 CP18.1 Q2.3 R52.2 RD7.2 RF2.2 RF3.2 U4.3 U7.1 U8.3 U10.3 US1.1 | length 4084.8
  Top Layer w10: v3(31330.71,27964.57) 31366.14,27929.13 US1.1@31366.14,27887.8 ; R52.2@32941.65,30074.02 v2(32975.12,30074.02)
  Top Layer w20: RF2.2@31378.66,29024.8 v2(31378.66,29087.79) ; U4.3@31417.32,30434.45 31515.16,30434.45 C45.1@31519.68,30438.98 v3(31519.68,30484.25) ; U10.3@31742.84,30083.86 31774.33,30052.36 C58.1@31774.33,29977.56 CP13.1@31902.28,29977.56 ; 32027.48,30001.18 RD7.2@32051.58,30001.18 ; U7.1@32290.08,29552.56 32307.8,29570.28 C51.1@32307.8,29631.1 32307.8,29662.6 v2(32323.54,29678.35) ; CP9.1@32939.69,31007.09 33144.41,31007.09 U8.3@33146.38,31005.12
  Top Layer w39.37: Q2.3@32014.49,29887.01 32014.49,30042.52 32044.02,30072.05 32213.31,30072.05 32260.55,30119.29 ; v2(32280.24,30099.61) 32260.55,30119.29 ; CP9.1@32949.53,31005.12 32937.72,30993.31 v1(32937.72,30930.31) 32882.6,30875.2 32406.22,30875.2 32280.24,30749.21 32280.24,30138.98 32260.55,30119.29
  Top Layer w50: v3(29787.4,27783.47) v3(29787.4,27850.39) ; v3(29787.4,27909.45) v3(29787.4,27850.39) ; RF3.2@29960.63,27992.13 29901.57,27933.07 CP18.1@29901.57,27850.39 v3(29787.4,27850.39) ; CP13.1@31902.28,29977.56 32007.8,29977.56
  Mid-Layer 1 w10: v2(32280.24,30099.61) 32305.83,30074.02 v2(32975.12,30074.02)
  other v1: 32898.35,30930.31 32973.15,30930.31
VBAT: C87.1 D19.2 LR1.2 LR3.1 LR4.2 Q15.2 R79.2 R80.2 R81.2 R82.2 R89.2 R90.2 | length 874.9
  Top Layer w10: R90.2@29763.78,28127.95 v3(29805.12,28127.95) ; v3(29763.78,28228.35) R89.2@29763.78,28265.75 ; R81.2@30598.43,31281.5 30724.41,31281.5 30733.86,31284.65 R80.2@30736.22,31285.43 ; R80.2@30732.28,31289.37 30769.69,31289.37 v8(30795.28,31314.96) 30811.02,31330.71 R82.2@30811.02,31435.04 ; v3(30748.03,29358.27) 30750,29360.24 v3(30781.5,29360.24) LR4.2@30822.83,29360.24
  Top Layer w25: LR3.1@30763.78,31681.1 v8(30763.78,31744.09) LR1.2@30763.78,31807.09
  Top Layer w50: LR4.2@30820.87,29362.21 C87.1@30820.87,29425.2
  Bottom Layer w50: v8(31535.43,29925.2) 31572.84,29925.2 Q15.2@31572.84,30080.71
  other v8: 31559.06,29968.5
VCC: C61.1 C69.1 C70.1 C71.1 C72.1 C74.1 CP16.1 CP19.1 CP20.1 CP21.1 CP22.1 CP23.1 D9.2 L2.1 P2.2 R27.1 R70.1 S1.2 S2.2 U16.11 U16.16 U16.38 U16.64 U16.87 | length 2813.3
  Top Layer w10: S1.2@29606.3,32054.72 29825.59,32054.72 S2.2@29826.77,32053.54 ; v3(29755.91,32724.41) 29767.72,32712.6 U16.11@29816.93,32712.6 ; U16.16@29816.93,32614.17 v3(29870.08,32614.17) ; CP16.1@30086.61,32145.67 30074.8,32157.48 30074.8,32303.15 30114.17,32342.52 U16.38@30114.17,32375.98 v3(30114.17,32429.13) ; U16.87@30133.86,32970.47 30133.86,33015.75 30149.61,33031.5 v3(30161.42,33031.5) ; U16.64@30411.42,32692.91 v3(30472.44,32692.91)
  Top Layer w20: v8(29812.01,33278.54) D9.2@29812.01,33240.16 29884.84,33167.32 R70.1@29901.57,33167.32 ; CP16.1@30086.61,32145.67 30232.28,32145.67 30299.21,32078.74 L2.1@30405.51,32078.74 v8(30456.69,32078.74) ; R27.1@30720.47,32108.27 30722.44,32108.27 v8(30751.97,32078.74) 30765.75,32078.74 C61.1@30791.34,32104.33
  Mid-Layer 1 w20: v8(30456.69,32078.74) v8(30751.97,32078.74)
  Bottom Layer w10: v3(30161.42,33031.5) 30165.35,33027.56 C69.1@30198.82,33027.56
  Bottom Layer w20: v3(29755.91,32724.41) C70.1@29755.91,32757.87 29868.11,32757.87 CP20.1@29909.45,32716.54 v3(29964.57,32716.54) ; C72.1@29905.51,32612.2 29907.48,32610.24 CP22.1@29980.32,32610.24 v3(30039.37,32610.24) ; v3(30114.17,32429.13) 30116.14,32431.1 C74.1@30116.14,32464.57 ; CP23.1@30212.6,32547.24 30212.6,32653.54 v3(30255.91,32696.85) CP19.1@30314.96,32696.85 30352.36,32659.45 C71.1@30472.44,32659.45
  Bottom Layer w25: v3(30129.92,32870.08) CP21.1@30192.91,32870.08 C69.1@30192.91,33021.65
  other v3: 30102.36,32606.3
VCC1V3: C57.1 CP12.1 R25.1 RK3.1 RV2.2 U9.2 U9.4 | length 1067.5
  Top Layer w20: C57.1@32240.87,31207.87 32240.87,31261.02 ; R25.1@32303.86,31046.46 32303.86,31068.11 32335.36,31099.61 32496.77,31099.61 ; RV2.2@32303.86,31200 32303.86,31261.02 ; 32449.53,31292.52 32449.53,31264.96 32484.96,31229.53 U9.4@32496.77,31229.53 ; U9.2@32496.77,31001.18 32496.77,31099.61 ; 32496.77,31288.58 U9.4@32496.77,31229.53 ; 32544.02,31296.46 32544.02,31261.02 32512.52,31229.53 U9.4@32496.77,31229.53 ; 32496.77,31099.61 U9.4@32496.77,31229.53
  Top Layer w25: 32099.14,31257.09 32099.14,31292.52 ; CP12.1@32126.69,31213.78 CP12.1@32126.69,31225.59 ; CP12.1@32126.69,31229.53 CP12.1@32126.69,31225.59 ; 32154.25,31292.52 32154.25,31253.15 CP12.1@32126.69,31225.59 ; 32264.49,31284.64 32292.05,31257.09 ; RK3.1@32408.19,31607.48 32492.84,31607.48
VCC5V: CP27.1 D7.1 D19.1 Q15.1 R109.2 RF1.1 RT1.2 U21.13 | length 1739.9
  Top Layer w25: 31125.98,30062.01 31128.94,30059.06 v4(31192.91,30059.06)
  Top Layer w39.37: RF1.1@32175.91,29611.42 32362.91,29798.42 RT1.2@32362.91,29865.35 32317.64,29865.35 32295.99,29887.01 32295.99,29950 32282.21,29963.78 D7.1@32221.18,29963.78
  Bottom Layer w25: v4(31192.91,30059.06) 31204.72,30070.87 CP27.1@31204.72,30153.54 31236.22,30153.54 31295.28,30212.6 31488.19,30212.6 31545.28,30155.51 Q15.1@31572.84,30155.51 31649.61,30155.51 R109.2@31653.54,30151.58 31891.73,29913.39 D19.1@31941.34,29913.39
  Bottom Layer w39.37: D19.1@31941.34,29913.39 31941.34,29826.38 v4(31976.38,29791.34)
  other v1: 32335.36,29761.02 32390.47,29761.02 32339.29,29808.27 32394.41,29808.27
VCC24V: C63.1 CV1.1 P1.1 R49.2 Z1.3 | length 2372.3
  Top Layer w10: R49.2@33061.73,28414.57 v8(33061.73,28463.31)
  Top Layer w20: 32858.98,30284.64 32795.99,30284.64 P1.1@32795.99,30249.21 32937.72,30249.21 ; C63.1@32937.72,30200 32937.72,30249.21 ; 32977.09,30249.21 32937.72,30249.21
  Top Layer w50: 32977.09,30249.21 33114.88,30111.42 CV1.1@33114.88,30056.3 33114.88,29867.32 Z1.3@32981.03,29733.46
  Mid-Layer 1 w10: Z1.3@32981.03,29733.46 33137.8,29576.69 33137.8,28539.37 v8(33061.73,28463.31)
VCC_RF: Q13.2 R94.1 U20.18 | length 237.6
  Top Layer w10: Q13.2@29635.83,28891.73 R94.1@29720.47,28891.73 ; R94.1@29724.41,28887.8 29724.41,28909.45 29765.71,28950.75 U20.18@29838.58,28950.75
VDD1.3V: C2.1 C3.1 C4.1 C13.1 C14.1 C15.1 C16.1 C17.1 C18.1 C28.1 C29.1 C30.1 C31.1 C32.1 CP2.1 CP4.1 RK3.2 U1.A1 U1.A6 U1.A10 U1.A16 U1.B11 U1.F1 U1.F16 U1.G4 U1.J2 U1.J17 U1.L2 U1.M13 U1.N16 U1.T6 U1.T8 U1.U1 U1.U2 U1.U11 | length 4738.5
  Top Layer w5: C3.1@31278.27,32064.17 31286.14,32072.05 31374.73,32072.05 31390.47,32087.79 31595.2,32087.79 U1.M13@31610.95,32103.54 ; C32.1@31278.27,32166.53 U1.U11@31453.46,32166.53 ; C4.1@31532.21,31802.36 31563.7,31833.86 31563.7,31993.31 U1.N16@31579.45,32009.05 ; C28.1@31638.51,32646.85 31626.69,32635.04 31626.69,32465.75 U1.L2@31642.44,32450 ; C2.1@31705.43,31801.46 U1.J17@31705.43,31977.56 ; U1.J2@31705.43,32450 31721.18,32465.75 31721.18,32524.8 31769.41,32573.03 31769.41,32645.87 C29.1@31780.24,32656.69 31784.17,32656.69 31784.17,32402.76 U1.G4@31768.43,32387.01 ; U1.F16@31799.92,32009.05 31815.67,31993.31 31815.67,31938.19 31914.1,31839.76 C13.1@31914.1,31796.46 ; U1.F1@31799.92,32481.5 31799.92,32579.92 31828.92,32608.92 31828.92,32641.48 C14.1@31844.13,32656.69 ; C14.1@31845.43,32656.69 C14.1@31844.13,32656.69 ; C14.1@31845.43,32657.99 C14.1@31844.13,32656.69 ; U1.B11@31925.91,32166.53 31941.65,32150.79 31969.21,32150.79 31992.84,32174.41 C15.1@32126.77,32174.41 ; U1.A16@31957.4,32009.05 32040.08,32009.05 32075.51,31973.62 32124.73,31973.62 32132.6,31965.75 32127.37,31960.51 32122.14,31955.28 C16.1@32116.85,31950 ; U1.A10@31957.4,32198.03 31973.15,32182.28 32118.9,32182.28 C15.1@32126.77,32174.41 ; U1.A6@31957.4,32324.02 32055.83,32324.02 32079.45,32347.64 C18.1@32124.73,32347.64 ; U1.A1@31957.4,32481.5 31957.4,32640.94 C17.1@31973.15,32656.69 ; C18.1@32116.85,32324.01 32120.79,32327.95 C18.1@32132.6,32339.76 C18.1@32124.73,32347.64 ; C15.1@32120.79,32162.6 C15.1@32129.69,32171.49 ; C18.1@32120.79,32351.57 C18.1@32124.73,32347.64 ; C15.1@32121.26,32158.66 C15.1@32131.89,32169.29 ; C15.1@32124.73,32178.35 C15.1@32131.89,32169.29 ; C15.1@32132.6,32174.41 C15.1@32129.69,32171.49 ; C15.1@32126.77,32174.41 C15.1@32129.69,32171.49 ; C15.1@32129.69,32171.49 C15.1@32131.89,32169.29
  Top Layer w6: C31.1@31294.02,32339.76 31469.21,32339.76 U1.T6@31484.96,32324.02 31469.21,32308.27 31469.21,32276.77 U1.T8@31484.96,32261.02
  Top Layer w10: v1@31181.81,32520.87 CP4.1@31240.87,32520.87 ; v1(31437.72,32623.23) 31437.72,32643.98 C30.1@31450.43,32656.69 ; C30.1@31450.43,32657.99 31453.46,32654.96 U1.U1@31453.46,32481.5 U1.U2@31453.46,32450 ; v1(31654.25,32623.23) C28.1@31654.25,32648.82 ; C13.1@31914.1,31796.46 31949.53,31831.89 v1(31949.53,31851.57) ; v5(32099.14,31961.81) 32126.07,31961.81 C16.1@32127.37,31960.51 ; v1(32099.14,32158.66) C15.1@32121.26,32158.66 ; v1(32099.14,32327.95) C18.1@32120.79,32327.95
  Top Layer w12: C17.1@31973.15,32656.69 31981.03,32648.82 v5(31981.03,32623.23)
  Top Layer w20: C3.1@31278.27,32056.3 v1(31311.73,32056.3) ; C32.1@31278.27,32182.28 v1(31311.73,32182.28) ; C31.1@31278.27,32351.57 v5(31311.73,32351.57) ; C4.1@31532.21,31802.36 v5(31532.21,31835.83) ; C2.1@31709.37,31802.36 31715.28,31802.36 31721.18,31808.27 v1(31721.18,31835.83) ; C29.1@31784.17,32656.69 C14.1@31844.13,32656.69 ; C16.1@32122.14,31955.28 32122.14,31952.28 32108.66,31938.81 32087.95,31938.81 32071.58,31922.44 32071.58,31831.89 32122.76,31780.71 32181.81,31780.71 32213.31,31749.21 CP2.1@32213.31,31725.59 ; CP2.1@32221.18,31733.46 32272.36,31682.28 32272.36,31631.1 32295.99,31607.48 RK3.2@32331.42,31607.48
  other v1: 31181.81,32501.18 31181.81,32528.74 31181.81,32556.3
  other v5: 31814.15,32656.69
VDD3V3: C43.1 C50.1 C62.1 C66.1 CP7.1 CP8.1 CP17.1 D1.1 J6.28 J6.29 R2.1 R3.1 R4.1 R8.1 R9.1 R12.2 R29.1 R30.1 R40.1 R43.1 R44.1 R45.1 R46.1 R55.1 R59.2 R62.2 R63.2 R64.2 R67.1 R71.1 R114.1 R116.1 RD6.2 U4.5 U5.18 U6.8 U12.8 U13.4 U15.1 | length 8311.4
  Top Layer w6: R71.1@29708.66,32501.97 v8(29708.66,32535.43) ; R12.2@31685.75,30833.86 31715.28,30804.33 31949.53,30804.33 31957.4,30804.33 v1(31953.47,30808.27)
  Top Layer w10: R8.1@31023.62,30667.32 31057.09,30667.32 31083.46,30693.7 31122.05,30693.7 U5.18@31120.08,30691.73 ; 31032.21,32001.18 R2.1@31057.8,32001.18 ; R40.1@31057.8,32245.27 31040.08,32245.27 31032.21,32237.4 31032.21,32174.41 ; R30.1@31059.77,32747.24 v1(31059.77,32713.78) 31075.51,32698.03 31154.25,32698.03 31181.81,32725.59 R29.1@31181.81,32747.24 ; R9.1@31165.35,31246.06 v7@31165.35,31441.42 ; v7(31166.06,31442.12) R59.2@31128.66,31442.12 31128.66,31436.22 31099.14,31406.69 31040.08,31406.69 31016.46,31430.31 31016.46,31867.32 31032.21,31883.07 31032.21,32119.29 ; C62.1@31307.8,33083.86 31307.8,33048.42 31329.45,33026.77 R114.1@31329.45,32993.31 ; v7(31536.14,31383.07) R67.1@31536.14,31420.47 ; J6.29@31704.73,33014.76 31704.73,33076.69 ; 31721.18,33064.17 31724.41,33060.94 J6.28@31724.41,33014.76 ; 31725.12,31383.07 R43.1@31725.12,31420.47 ; R63.2@31795.79,32849.61 R62.2@32008.39,32849.61 R64.2@32224.92,32849.61 ; 31807.8,31390.94 R44.1@31807.8,31420.47 ; 31886.54,31383.07 R45.1@31886.54,31420.47 ; CP8.1@31929.84,31095.67 CP8.1@31941.65,31095.67 ; v1@31949.53,30804.33 31973.15,30827.95 31996.77,30827.95 ; CP8.1@31965.28,31072.05 CP8.1@31941.65,31095.67 ; CP8.1@31965.28,31095.67 CP8.1@31941.65,31095.67 ; 31969.21,31383.07 R46.1@31969.21,31420.47 ; 32181.81,31387.01 R55.1@32181.81,31420.47 ; R64.2@32228.86,32849.61 v7(32228.86,32886.81) ; 31032.21,32119.29 31032.21,32174.41 ; 31032.21,32119.29 R4.1@31057.8,32119.29 R3.1@31057.8,32178.35 31036.14,32178.35 31032.21,32174.41
  Top Layer w20: U12.8@31237.13,33009.05 31237.13,33072.24 31248.74,33083.86 C62.1@31307.8,33083.86 ; v8(31294.1,32993.31) R114.1@31329.45,32993.31 ; C62.1@31307.8,33085.83 C62.1@31307.8,33083.86 ; v1@31449.53,33083.86 CP17.1@31382.6,33083.86 C62.1@31307.8,33083.86 ; 31725.12,31383.07 31886.54,31383.07 31969.21,31383.07 32418.03,31383.07 C66.1@32418.03,31451.97 32371.77,31451.97 U13.4@32349.13,31429.33 ; U6.8@31847.36,30961.81 31849.33,30959.84 C50.1@31925.91,30959.84 31947.56,30959.84 31965.59,30977.87 31965.59,31095.35 CP8.1@31965.28,31095.67 ; 31981.02,31095.67 32012.52,31095.67
  Top Layer w25: CP7.1@31110.24,30570.87 v8(31169.29,30570.87) ; U5.18@31139.76,30693.7 31200,30693.7 31234.25,30659.45 C43.1@31234.25,30574.8 ; v8@31169.29,30574.8 C43.1@31234.25,30574.8 ; U4.5@31228.34,30484.45 31234.25,30490.36 C43.1@31234.25,30574.8 ; v7(31453.47,31418.5) D1.1@31453.47,31489.37 ; 31949.53,30725.59 31957.4,30717.72 RD6.2@31957.4,30656.69
  Mid-Layer 1 w10: v8(29708.66,32535.43) 30826.77,32535.43 31005.12,32713.78 v1(31059.77,32713.78)
  Bottom Layer w20: U15.1@29683.9,33354.92 29686.46,33352.36 29844.49,33352.36 29937.01,33259.84 30909.45,33259.84 31043.31,33125.98 31043.31,33001.97 ; R116.1@30976.38,33001.97 31043.31,33001.97 ; v8(31294.1,32993.31) 31285.43,33001.97 31043.31,33001.97
  other v1: 32000.71,30804.33 31953.47,30851.57 32000.71,30851.57 31953.47,30890.94 32000.71,30890.94 31441.65,33060.24 31441.65,33083.86 31441.65,33107.48